# KiCad board for_real_486_2.kicad_pcb (continued)
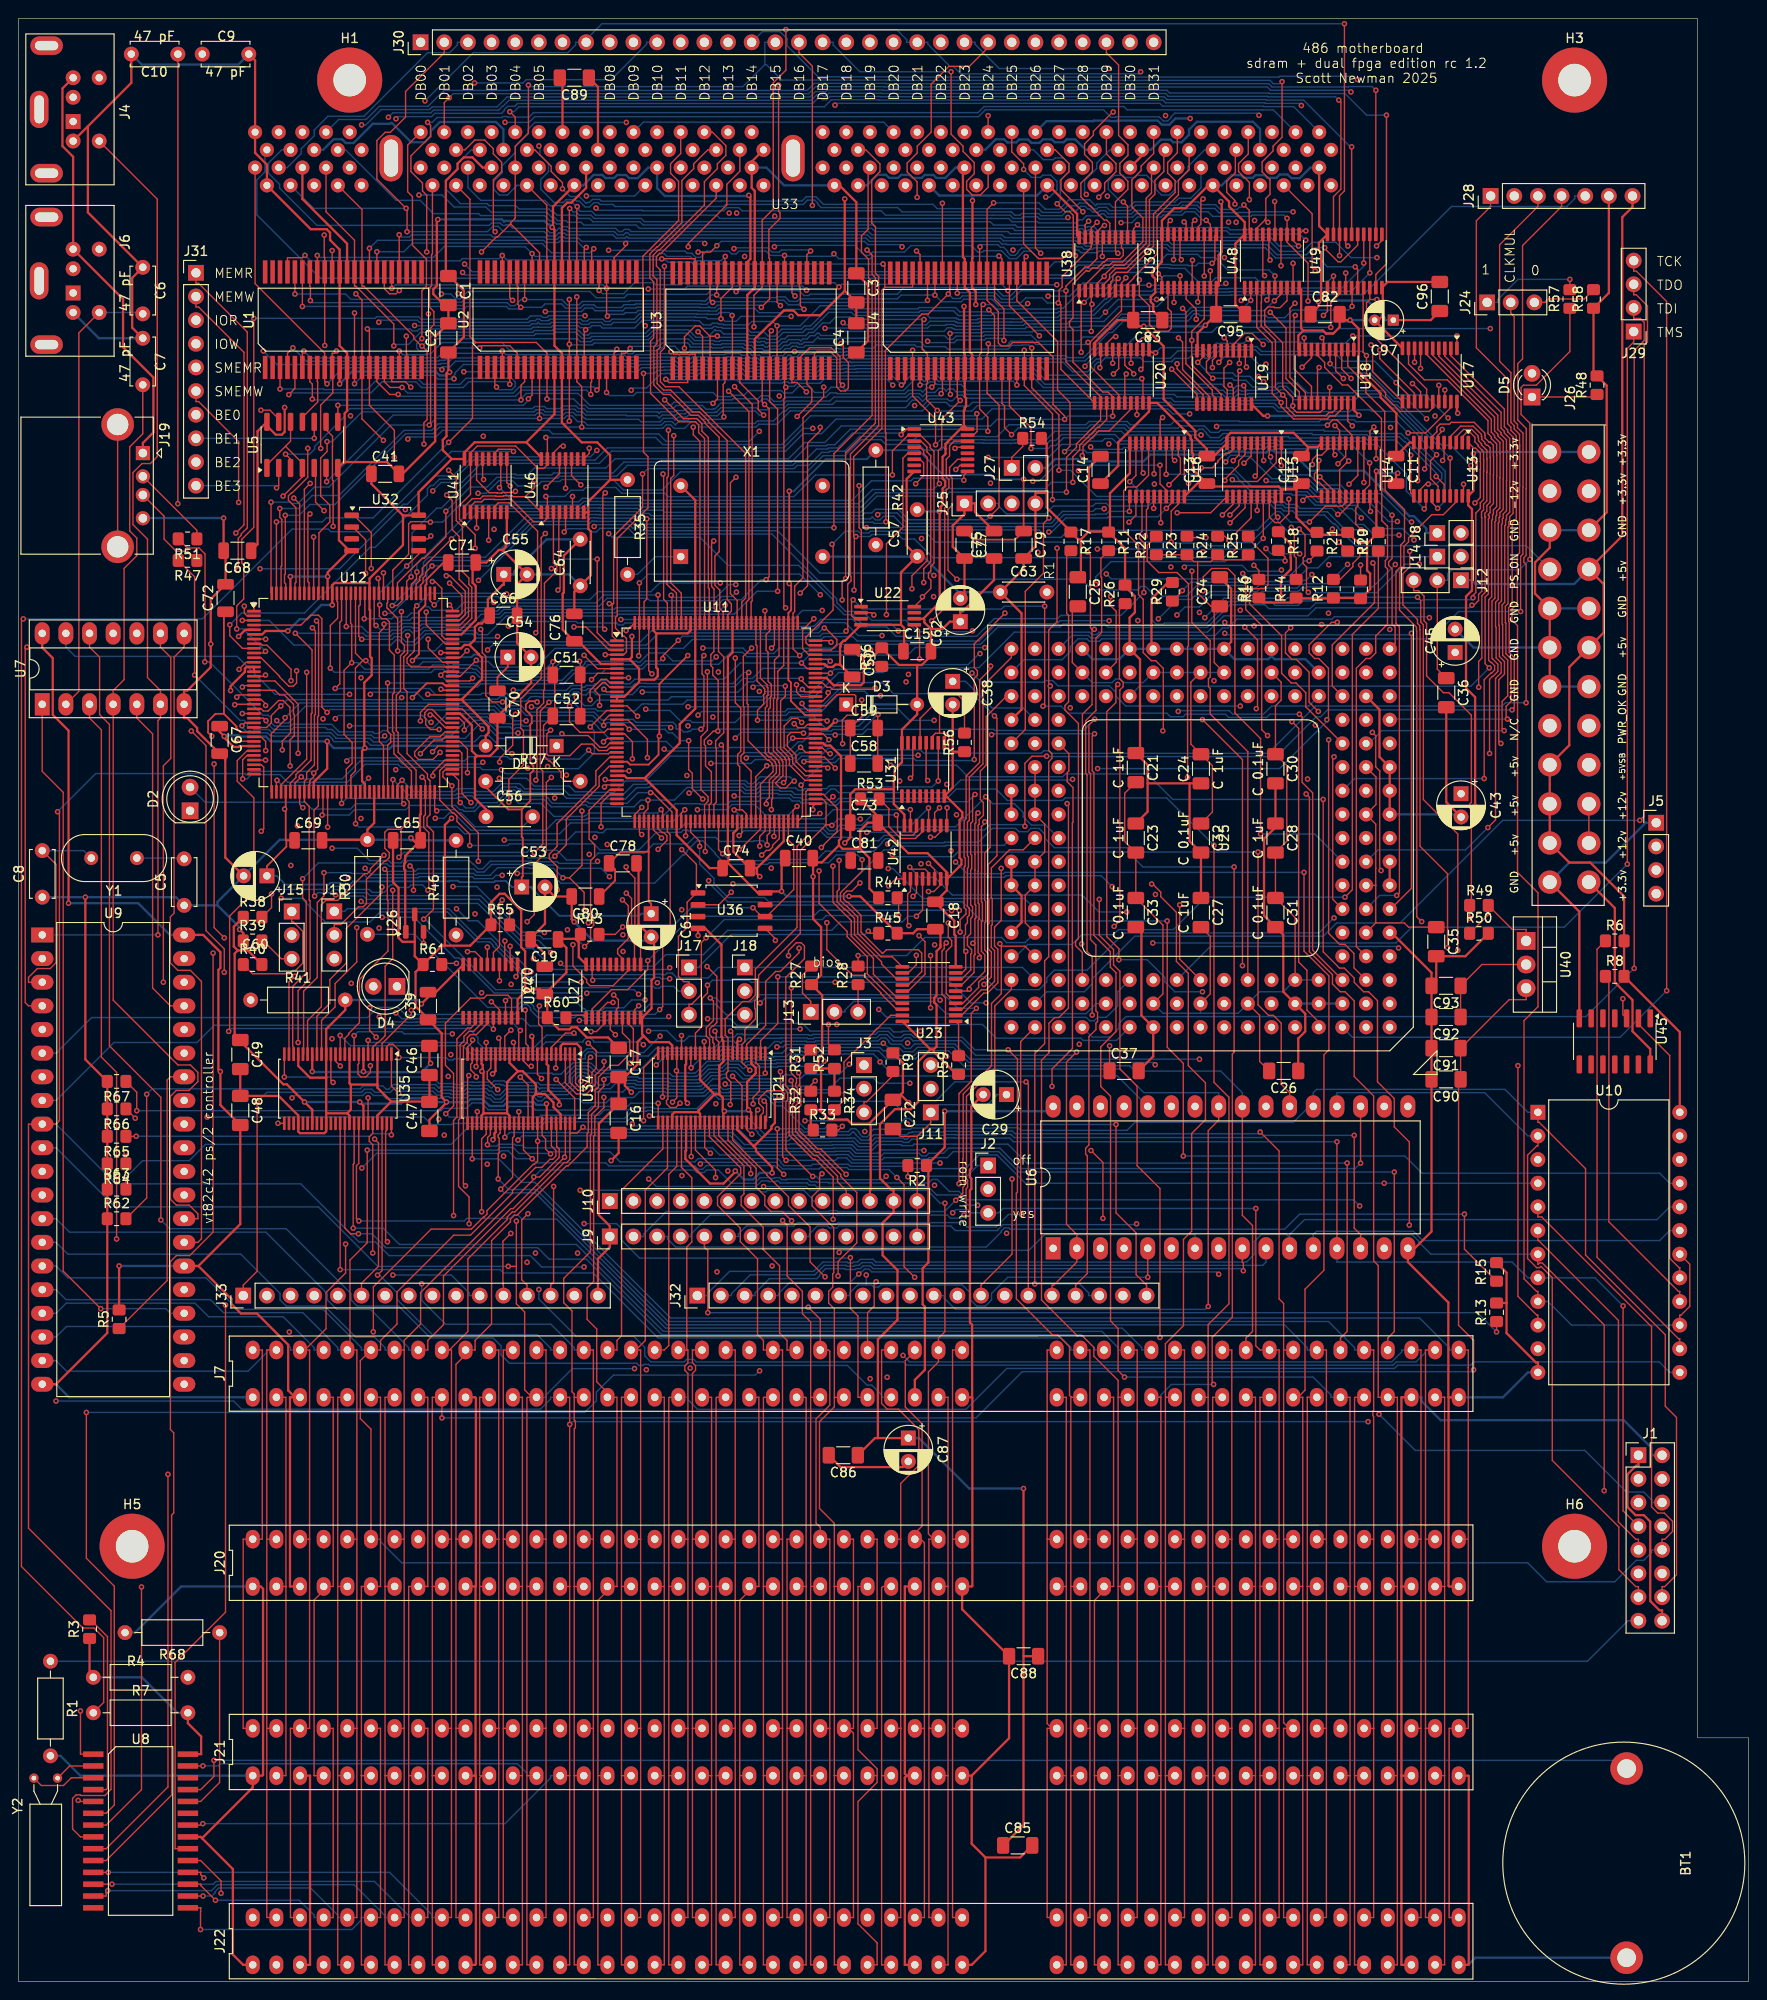
[diagram p0: board, top side]
## Routing (per net, layer and track width the routed paths; a pad name or vN(x,y) marks a point on that pad's centre or on a via; arc(x,y) is an arc through that point) (continued)
AB18: length 356.5
  Top w0.15: v1(53.05,180.56) 52.75,180.86 52.75,183.62 ; 73.47,185.74 74.31,185.74 v1(75,186.43) ; 73.47,185.74 U3.40 ; 73.47,185.74 v1(72.99,185.74) ; U11.94 86.72,137 87.92,138.21 89.78,138.21 89.92,138.06 89.92,136.22 89.71,136 88.99,136 88.48,135.49 88.48,132.97 v1(88.51,132.94) ; v1(96.45,185.86) 96.83,185.49 96.83,183.48 ; 110.65,139.14 110.65,132.19 110.99,131.84 110.99,131.36 110.65,131.01 110.65,110.06 110.21,109.63 110.21,100.73 109.15,99.67 v1(109.15,74.92) ; 110.65,139.14 v1(110.82,139.14) ; 110.65,139.14 110.65,145.15 111.54,146.04 v1(111.54,153.94) ; v1(40.18,117.2) 40.18,109.85 39.37,109.04 39.37,101.57 38.64,100.84 38.55,100.84 38.04,100.34 U35.5 ; U15.16 v1(133.04,158) ; 29.68,183.62 v1(29.68,181.24)
  In1.Cu w0.15: v1(88.51,132.94) 94.01,132.94 99.58,138.51 102.73,138.51 103.36,139.14 v1(110.82,139.14) ; 119.95,159.15 119.95,161.38 119.67,161.67 119.26,161.67 116.18,164.75 116.18,164.77 104.79,176.16 104.79,179.78 98.71,185.86 v1(96.45,185.86) 95.35,185.86 v1(94.89,186.32) ; 119.95,159.15 116.75,159.15 v1(111.54,153.94) ; 119.95,159.15 124.59,159.15 125.3,158.44 130.9,158.44 131.12,158.22 132.81,158.22 v1(133.04,158) ; v1(72.99,185.74) 67.31,180.07 56.96,180.07 55.79,181.23 53.73,181.23 v1(53.05,180.56) ; v1(40.18,117.2) 40.18,121.49 v1(36.77,124.91)
  In2.Cu w0.15: v1(29.68,181.24) 29.68,178.18 30.05,177.81 30.05,160.36 30.54,159.87 30.54,158.25 30.16,157.87 30.16,156.43 30.74,155.84 30.74,149.55 33.06,147.24 33.06,142.91 36.13,139.84 36.13,125.55 v1(36.77,124.91)
  Bottom w0.15: v1(94.89,186.32) 94.67,186.54 91.22,186.54 90.87,186.89 75.46,186.89 v1(75,186.43) ; J32.18 114.95,73.66 114.95,73.94 113.98,74.92 v1(109.15,74.92) ; v1(53.05,180.56) 52.95,180.67 47.89,180.67 47.58,180.36 46.81,180.36 46.5,180.67 35.69,180.67 35.12,181.24 v1(29.68,181.24)
AB19: length 339.6
  Top w0.15: 93.04,181.96 96.02,181.96 U4.41 ; 93.04,181.96 92.73,181.65 92.73,166.8 89.7,163.77 89.7,155.25 89.76,155.19 ; 93.04,181.96 93.04,184.28 v1(92.86,184.46) ; v1(30.76,185.39) 30.51,185.14 28.88,185.14 28.88,183.62 ; v1(69.08,185.02) 69.11,185.04 72.67,185.04 U3.41 ; U15.15 132.39,157.21 130.82,155.65 130.82,153.96 v1(130.13,153.26) ; 89.76,155.19 v1(89.94,155.19) ; 89.76,155.19 89.76,149.47 v1(89.73,149.44) ; U11.95 86.35,137.5 86.96,138.11 v1(86.96,138.43) ; v1(104.82,135.93) 105.08,135.66 105.08,120.9 104.13,119.95 104.13,118.78 104.12,118.77 104.12,116.26 104.22,116.15 104.22,113.64 104.12,113.54 104.12,110.92 104.48,110.56 104.48,107.87 v1(103.69,107.08) ; v1(51.95,185.38) 51.95,185.38 51.95,183.62 ; v1(116.47,81.96) 116.47,87.96 v1(115.19,89.24) ; U35.6 v1(37.54,101.08)
  In1.Cu w0.15: v1(98.98,105.39) 99.11,105.52 102.13,105.52 v1(103.69,107.08) ; v1(67.11,100.61) 69.55,103.06 70.07,103.06 70.41,103.4 70.41,103.91 71.5,105.01 79.58,105.01 v1(79.65,105.09)
  In2.Cu w0.15: J32.19 118.62,74.79 117.49,75.91 117.49,80.94 v1(116.47,81.96) ; v1(115.19,89.24) 112.39,92.04 112.39,96.27 107.86,100.8 107.86,102.75 106.98,103.63 106.43,103.63 103.69,106.37 v1(103.69,107.08) ; v1(86.96,138.43) 86.6,138.78 86.6,144 89.06,146.46 89.06,148.77 v1(89.73,149.44)
  Bottom w0.15: v1(98.98,105.39) 98.75,105.63 80.19,105.63 v1(79.65,105.09) ; 69.08,184.9 v1(69.08,185.02) ; 69.08,184.9 52.43,184.9 v1(51.95,185.38) 51.61,185.04 47.66,185.04 47.43,184.8 31.35,184.8 v1(30.76,185.39) ; 69.08,184.9 69.49,184.9 69.74,184.66 72.26,184.66 72.46,184.46 v1(92.86,184.46) ; v1(37.54,101.08) 37.77,100.84 48.16,100.84 49.1,99.9 55.64,99.9 56.63,100.9 60.61,100.9 60.61,101 60.95,101.34 61.43,101.34 61.77,101 61.77,100.9 66.82,100.9 v1(67.11,100.61) ; v1(130.13,153.26) 129.82,153.26 129.48,152.92 98.22,152.92 96.22,154.92 94.96,154.92 94.48,155.4 91.64,155.4 91.43,155.19 v1(89.94,155.19) ; v1(104.82,135.93) 102.43,138.32 93.96,138.32 92.78,139.5 88.03,139.5 v1(86.96,138.43)
AB20: length 225
  Top w0.15: v1(83.56,139.27) 83.56,138.49 84.04,138 U11.96 ; v1(37.79,98.36) 37.79,97.64 37.3,97.15 36.76,97.15 36.45,97.47 36.45,98.49 36.54,98.58 U35.8 ; v1(130.12,156.67) 131.74,158.29 U15.14 ; v1(117.88,92.04) 117.88,82.55 120.03,80.39 120.03,75.91 121.16,74.79 J32.20
  In1.Cu w0.15: v1(130.12,156.67) 129.45,156 126.82,156 126.78,155.96 124.35,155.96 122.05,153.66 120.63,153.66 113.4,146.43 107.22,146.43 105.75,144.96 104.42,144.96 102.37,142.91 98.46,142.91 95.93,140.38 v1(95.58,140.38) 88.02,140.38 87.17,139.53 85.81,139.53 84.43,138.15 83.98,138.15 83.56,138.58 v1(83.56,139.27)
  In2.Cu w0.15: v1(40.53,104.03) 40.53,101.45 37.79,98.72 v1(37.79,98.36) ; 84.48,101.77 v1(83.95,102.3) ; 84.48,101.77 84.82,101.77 86.4,103.35 86.4,107.53 88.93,110.05 88.93,111.33 89.93,112.33 89.93,112.83 94.63,117.53 94.63,120.32 95.21,120.9 95.21,138.88 94.75,139.34 94.75,139.82 95.32,140.38 v1(95.58,140.38) ; 84.48,101.77 84.48,92.46 v1(84.46,92.44)
  Bottom w0.15: v1(117.88,92.04) 104.64,92.04 104.6,91.99 101.08,91.99 101.07,92.01 96.36,92.01 95.69,92.68 95.21,92.68 94.68,92.15 89.38,92.15 89.1,92.44 v1(84.46,92.44) ; v1(83.95,102.3) 77.04,102.3 76.71,102.63 71.52,102.63 71.51,102.63 54.91,102.63 54.13,103.41 42.59,103.41 42.56,103.38 41.79,103.38 41.76,103.41 41.14,103.41 v1(40.53,104.03)
AB21: length 137.9
  Top w0.15: U11.97 84.45,138.5 v1(84.18,138.77) ; v1(130.11,157.51) 131.09,158.49 U15.13 ; U35.9 36.04,101.59 v1(36.04,101.59)
  In1.Cu w0.15: v1(84.18,138.77) 86.65,141.23 87.42,141.23 90.17,143.98 102.44,143.98 104.49,146.03 106.32,146.03 107.07,146.78 113.26,146.78 120.48,154.01 121.9,154.01 124.24,156.35 128.95,156.35 v1(130.11,157.51)
  In2.Cu w0.15: v1(59.89,137.91) 59.78,137.81 59.78,137.7 60.1,137.38 60.1,136.61 59.56,136.07 59.46,136.07 58.93,135.54 58.93,131.78 57.06,129.91 57,129.91 56.65,129.56 56.65,129.08 56.65,129.08 56.65,128.22 56.3,127.87 56.3,124.18 49.6,117.48 49.6,114.42 49.25,114.08 49.25,106.53 46.59,103.86 v1(46.59,101.77)
  Bottom w0.15: v1(46.59,101.77) 41.41,101.77 41.19,102 36.45,102 v1(36.04,101.59) ; v1(59.89,137.91) 60.77,137.03 61.56,137.03 62.17,137.63 69.76,137.63 70.11,137.98 79.8,137.98 80.14,138.32 80.14,138.43 80.25,138.54 83.96,138.54 v1(84.18,138.77)
AB22: length 147.9
  Top w0.15: U15.12 130.44,158.65 v1(129.3,157.51) ; U35.11 35.04,101.29 35.46,101.71 35.46,101.83 36.6,102.97 36.6,107.6 39.67,110.67 39.67,116.12 39.61,116.18 39.61,119.18 v1(39.33,119.46) ; U11.98 84.83,139 84.06,139.77 v1(84.06,139.9)
  In1.Cu w0.15: v1(129.3,157.51) 128.95,157.16 123.71,157.16 123.23,157.64 121.37,157.64 121.04,157.31 121.04,157.19 117.57,153.72 117.08,153.72 116.16,152.81 114.63,152.81 113.53,151.71 106.64,151.71 106.12,151.19 100.54,151.19 100.19,150.83 98.94,150.83 98.55,150.43 98.07,150.43 97.67,150.83 94.02,150.83 93.75,150.56 90.04,150.56 89.22,149.74 89,149.74 86.89,147.63 86.89,146.53 83.31,142.94 83.31,140.66 v1(84.06,139.9)
  In2.Cu w0.15: v1(66.99,138.5) 64.28,135.79 64.28,128.56 64.21,128.49 64.21,127.76 63.86,127.41 63.86,122.89 64.24,122.5 64.24,121.73 63.46,120.95 63.46,118.66 v1(63.46,118.66)
  Bottom w0.15: v1(39.33,119.46) 39.55,119.23 42.61,119.23 42.87,119.49 48.88,119.49 49.22,119.15 49.99,119.15 50.81,119.97 54.94,119.97 55.01,119.91 57.72,119.91 58.07,119.56 62.57,119.56 v1(63.46,118.66) ; v1(66.99,138.5) 66.99,138.47 77.25,138.47 78.37,139.59 78.97,139.59 79.34,139.96 84,139.96 v1(84.06,139.9)
AB23: length 151.3
  Top w0.15: U35.12 v1(34.54,101.61) ; U15.11 128.04,157.74 v1(124.45,157.74) ; v1(92,138.93) 91.85,138.78 87.42,138.78 87.2,139 86.83,139 86.33,139.5 U11.99
  In1.Cu w0.15: v1(92,138.93) 95.49,138.93 98.38,141.81 103.28,141.81 107.51,146.04 115.58,146.04 121.46,151.92 v1(123.77,151.92)
  In2.Cu w0.15: v1(123.77,151.92) 124.45,152.6 v1(124.45,157.74) ; v1(68.9,101.53) 68.9,103.52 69.46,104.08 69.46,107.32 69.3,107.48 69.3,107.96 69.52,108.18 69.52,108.48 69.36,108.64 69.36,109.12 69.52,109.27 69.52,110.03 69.87,110.38 69.87,112.98 70.3,113.4 70.3,127.82 71.2,128.72 71.2,129.76 71.54,130.1 71.68,130.1 72.71,131.13 72.71,135.74 v1(72.98,136.01)
  Bottom w0.15: v1(34.54,101.61) 35.66,100.49 47.71,100.49 48.65,99.55 60.5,99.55 60.5,99.64 61.04,100.19 61.81,100.19 62.25,99.75 67.13,99.75 v1(68.9,101.53) ; v1(72.98,136.01) 73.36,136.39 79.75,136.39 79.76,136.38 82.31,136.38 82.61,136.69 85.75,136.69 85.79,136.73 86.07,136.73 88.27,138.93 v1(92,138.93)
AB24: length 139.9
  Top w0.15: v1(123.29,158.22) 123.92,158.85 U16.18 ; v1(34.56,98.32) 34.04,98.84 U35.13 ; v1(87.21,140.52) 87.19,140.5 U11.101 ; v1(56.96,137.38) 56.03,136.45 56.03,130.27 56.3,130 56.3,122.17 v1(55.39,121.25)
  In1.Cu w0.15: v1(34.56,98.32) 36.13,99.89 45.1,99.89 45.22,99.77 46.51,99.77 46.51,99.75 46.42,99.66 v1(46.42,99.55)
  In2.Cu w0.15: v1(46.42,99.55) 46.42,100.09 50.2,103.87 50.2,105.47 50.59,105.85 50.59,110.41 51.3,111.12 51.3,114.67 52.52,115.9 52.52,118.85 54.92,121.25 v1(55.39,121.25) ; v1(103.27,142.61) 103.95,142.61 107.6,146.26 107.6,152.62 v1(110.66,155.68)
  Bottom w0.15: v1(103.27,142.61) 103.18,142.61 102,141.43 92.3,141.43 91.8,140.94 87.63,140.94 v1(87.21,140.52) 84.88,138.19 80.51,138.19 80.49,138.17 79.95,137.63 71.81,137.63 71.37,137.19 67.63,137.19 67.6,137.22 67.12,137.22 67.09,137.19 66.94,137.19 66.21,136.46 62.18,136.46 61.97,136.68 60.31,136.68 59.41,137.57 57.16,137.57 v1(56.96,137.38) ; v1(123.29,158.22) 122.38,157.31 117.05,157.31 116.92,157.19 112.49,157.19 110.98,155.68 v1(110.66,155.68)
AB25: length 147
  Top w0.15: v1(84.09,141.61) 84.69,141 U11.102 ; v1(33.78,96.56) 33.54,96.8 U35.14 ; U16.17 123.27,160.18 122.6,160.84 v1(122.6,162.85)
  In2.Cu w0.15: v1(33.78,96.56) 34.36,96.56 39.67,101.87 39.67,104 40.4,104.73 40.69,104.73 41.84,105.88 41.84,117.44 45.5,121.1 45.5,128.2 48.8,131.5 48.8,134.7 51.4,137.3 51.4,137.67 51.74,138.01 52.44,138.01 v1(53.13,138.71) ; v1(108.94,161.13) 107.95,160.15 107.95,158.12 103.78,153.95 v1(103.78,143.26)
  Bottom w0.15: v1(103.78,143.26) 96.32,143.26 95.52,142.46 84.95,142.46 v1(84.09,141.61) 77.5,141.61 75.77,139.87 66.17,139.87 65.68,139.38 63.59,139.38 63.25,139.72 62.47,139.72 62.13,139.38 61.91,139.38 61.72,139.19 60.97,139.19 60.8,139.01 60.6,139.01 60.42,139.19 59.36,139.19 58.83,138.66 56.27,138.66 56.23,138.71 v1(53.13,138.71) ; v1(108.94,161.13) 109.64,161.13 111.4,162.89 113.79,162.89 113.82,162.85 v1(122.6,162.85)
AB26: length 140.3
  Top w0.15: v1(122.68,156.67) 122.68,159.42 U16.16 ; v1(36.32,113.19) 36.32,109.49 33.99,107.16 33.99,104.67 32.54,103.21 U35.16 ; v1(87.18,141.8) 86.98,142 U11.104
  In1.Cu w0.15: v1(122.68,156.67) 121.51,156.67 116.95,152.1 116.45,152.1 115.35,151.01 109.17,151.01 105.32,147.15 98.06,147.15 96.54,145.63 91.01,145.63 v1(87.18,141.8)
  In2.Cu w0.15: v1(37.78,138.24) 38.13,137.89 38.13,131.93 37.78,131.58 37.78,129.86 38.16,129.48 38.16,125.34 36.04,123.22 36.04,119.23 36.2,119.06 36.2,113.31 v1(36.32,113.19)
  Bottom w0.15: v1(87.18,141.8) 86.41,141.03 79.91,141.03 78.82,139.94 77.81,139.94 76.92,139.05 67.26,139.05 67.23,139.07 66.75,139.07 66.41,138.74 66.41,138.71 65.92,138.21 62.01,138.21 61.74,138.49 61.26,138.49 60.96,138.19 60.43,138.19 60.13,138.49 59.65,138.49 59.12,137.96 55.98,137.96 55.93,138 55.02,138 54.53,137.51 52.75,137.51 52.42,137.84 52.39,137.84 52.22,138.01 51.74,138.01 51.45,137.71 49.64,137.71 49.59,137.67 43.51,137.67 42.71,138.47 38.01,138.47 v1(37.78,138.24)
AB27: length 137
  Top w0.15: v1(121.92,158.22) 121.92,159.45 U16.15 ; v1(39.03,117.55) 39.03,116.93 35.2,113.1 35.2,109.38 33.43,107.6 33.43,105.06 32.04,103.67 U35.17 ; v1(85.42,146.36) 84.21,145.16 84.21,143.15 84.85,142.5 U11.105
  In1.Cu w0.15: v1(85.42,146.36) 85.74,146.69 85.74,147.49 86.08,147.82 86.57,147.82 88.84,150.09 89.07,150.09 89.41,150.43 89.41,150.55 89.77,150.91 93.61,150.91 93.96,151.26 97.74,151.26 98.07,151.59 98.55,151.59 98.87,151.26 100.12,151.26 100.4,151.54 105.79,151.54 106.32,152.06 112.5,152.06 116.59,156.16 119.51,156.16 119.85,156.5 119.85,156.74 121.32,158.22 v1(121.92,158.22)
  In2.Cu w0.15: v1(39.03,117.55) 39.03,117.61 43.73,122.31 43.73,127.42 46.3,129.98 46.3,133.44 47.3,134.44 47.3,134.64 47.64,134.98 47.72,134.98 50.95,138.21 50.95,143.14 52.61,144.81 v1(52.61,145.57)
  Bottom w0.15: v1(52.61,145.57) 53.1,146.06 59.88,146.06 60.05,145.9 64.25,145.9 64.45,145.7 64.93,145.7 65.12,145.9 84.95,145.9 v1(85.42,146.36)
AB28: length 143.9
  Top w0.15: v1(121,155.23) 121.14,155.37 121.14,158.05 121.32,158.23 U16.14 ; U35.19 31.04,103.21 32.52,104.69 32.52,115.64 33,116.11 34.28,116.11 37.14,118.98 37.46,118.98 37.8,119.31 37.8,119.52 v1(39.24,120.96) ; v1(86.55,145.36) 86.65,145.36 87.89,144.12 87.89,143.61 87.28,143 U11.106
  In1.Cu w0.15: v1(121,155.23) 122.08,155.23 123.26,156.42 123.26,156.94 122.91,157.29 121.63,157.29 116.8,152.45 116.3,152.45 115.21,151.36 108.2,151.36 107.23,150.39 101.38,150.39 99.98,149 99.36,149 96.34,145.98 87.16,145.98 v1(86.55,145.36)
  In2.Cu w0.15: v1(50.37,143.01) 50.37,138.22 45.89,133.73 45.89,130.07 39.58,123.77 39.58,121.31 v1(39.24,120.96)
  Bottom w0.15: v1(86.55,145.36) 86.46,145.36 85.93,144.84 68.74,144.84 67.44,143.53 50.9,143.53 v1(50.37,143.01)
AB29: length 142.6
  Top w0.15: v1(32.8,119.09) 32.8,116.6 32.08,115.88 32.08,107.83 30.61,106.36 30.61,99.67 U35.20 ; U11.144 65.36,145.09 v1(65.25,145.09) ; U16.13 120.67,155.74 120.39,155.47 120.39,154.99 120.87,154.51 v1(120.87,149.18)
  In2.Cu w0.15: v1(51.95,118.8) 56.65,123.51 56.65,127.72 57.8,128.87 57.8,129.9 59.3,131.4 59.3,135.31 60.45,136.47 60.45,137.53 60.42,137.57 60.42,137.63 65.25,142.46 v1(65.25,145.09)
  Bottom w0.15: v1(51.95,118.8) 51.28,118.8 50.93,118.45 48.93,118.45 48.73,118.65 43.03,118.65 42.9,118.53 37.43,118.53 36.95,119 35.77,119 35.68,119.09 v1(32.8,119.09) ; v1(65.25,145.09) 65.7,145.55 85.41,145.55 86.16,146.29 89.6,146.29 90.41,145.48 93.23,145.48 94.24,144.48 102.9,144.48 104.8,146.37 111.59,146.37 111.95,146.73 118.42,146.73 v1(120.87,149.18)
AB30: length 145.4
  Top w0.15: v1(30.5,118.44) 30.5,116.38 30.89,116 30.89,108.32 29.44,106.88 29.44,100.43 29.54,100.33 U35.22 ; v1(119.27,156.73) 120.02,157.48 U16.12 ; v1(66.6,142.38) 66.68,142.46 U11.143 v1(66.68,150.21)
  In1.Cu w0.15: v1(86.11,148.94) 86.29,148.94 88.61,151.26 93.46,151.26 93.81,151.62 97.6,151.62 97.92,151.94 100.3,151.94 100.78,152.41 111.97,152.41 116.29,156.73 v1(119.27,156.73)
  In2.Cu w0.15: v1(62.18,120.31) 62.22,120.35 62.22,121.93 63.16,122.86 63.16,127.7 63.17,127.71 63.51,128.05 63.51,128.74 63.49,128.76 63.58,128.85 63.58,139.36 v1(66.6,142.38)
  Bottom w0.15: v1(86.11,148.94) 83.9,151.15 67.63,151.15 v1(66.68,150.21) ; v1(62.18,120.31) 61.96,120.08 58.04,120.08 57.86,120.26 55.15,120.26 55.09,120.32 50.66,120.32 49.85,119.51 49.37,119.51 48.85,120.02 48.79,120.02 48.42,120.39 41.8,120.39 41.46,120.05 41.46,119.92 41.33,119.79 39.82,119.79 39.57,120.03 38.83,120.03 38.82,120.04 37.55,120.04 37.46,120.13 32.19,120.13 v1(30.5,118.44)
AB31: length 157.4
  Top w0.15: U35.23 29.04,107.34 v1(29.65,107.96) ; U11.142 67.18,148.18 67.47,148.47 v1(67.47,157.09) ; v1(119.32,157.89) 119.32,159.44 U16.11
  In1.Cu w0.15: v1(29.65,107.96) 32.82,111.12 34.26,111.12 35.11,111.97 35.11,112.8 36.09,113.79 38.06,113.79 v1(38.72,113.13)
  In2.Cu w0.15: v1(39.34,146.94) 39.34,146.55 39.88,146.01 39.88,142.01 38.49,140.62 38.49,131.79 38.45,131.75 38.45,129.69 38.52,129.62 38.52,125.1 37.11,123.7 37.02,123.7 36.39,123.07 36.39,121.2 37.8,119.79 37.8,118.13 37.75,118.08 37.75,114.1 v1(38.72,113.13)
  Bottom w0.15: v1(39.34,146.94) 40.11,146.94 43.84,150.66 43.84,152.28 44.18,152.61 50.52,152.61 55.07,157.16 60.9,157.16 61.29,157.55 62.05,157.55 62.35,157.55 62.38,157.51 66.21,157.51 66.56,157.16 67.4,157.16 v1(67.47,157.09) 67.48,157.08 91.47,157.08 91.67,157.27 91.73,157.27 92.03,156.97 92.51,156.97 92.91,157.37 94,157.37 95.12,156.26 111.06,156.26 111.61,156.8 111.61,156.87 112.27,157.54 115.64,157.54 115.7,157.6 116.84,157.6 117.13,157.89 v1(119.32,157.89)
ADS: length 126.2
  Top w0.15: U25.S17 106.63,142.19 103.58,139.14 103.58,130.77 102.12,129.32 102.12,124.74 101.91,124.53 101.91,120.91 102.02,120.8 102.02,119.66 101.91,119.55 101.91,115.48 102.11,115.28 102.11,114.51 101.91,114.31 101.91,113.69 101.71,113.49 101.71,112.47 101.56,112.32 101.56,110.81 v1(101.73,110.63) 101.73,108.72 101.33,108.32 U23.9
  In1.Cu w0.15: J33.4 31.75,74.79 33.74,74.79 49.43,90.48 49.43,91.05 55.93,97.55 57.28,97.55 57.33,97.5 57.91,97.5 60.61,100.2 60.61,101 60.95,101.34 61.91,101.34 63.77,103.2 63.66,103.3 63.66,103.59 64.85,104.78 64.85,105.67 66.52,107.34 67.02,107.34 70.08,110.4 76.41,110.4 76.75,110.74 76.76,110.74 76.77,110.75 83.24,110.75 83.59,110.39 84.07,110.39 84.46,110.79 98.12,110.79 98.15,110.76 101.61,110.76 v1(101.73,110.63)
ADT_EN: length 144.6
  Top w0.15: U13.19 155.2,159.69 v1(155.2,160.81) ; U15.19 134.99,157.52 v1(135.25,157.26) ; v1(145.21,157.89) 145.15,157.95 U14.19 ; v1(123.8,154.6) 123.8,157.91 124.57,158.68 U16.19 ; U11.107 84.84,143.5 84.57,143.78 84.57,144.38 87.49,147.3 87.49,154.25 v1(87.38,154.36) ; v1(44.64,147.85) 44.19,148.3 U12.110
  In1.Cu w0.15: v1(155.2,160.81) 153.95,159.55 146.88,159.55 v1(145.21,157.89) 145.21,157.37 144.34,156.49 141.62,156.49 v1(141.12,155.99) ; v1(75.37,150.21) 79.51,154.36 v1(87.38,154.36)
  Bottom w0.15: v1(87.38,154.36) 88.79,155.77 90.18,155.77 90.37,155.58 91.31,155.58 91.51,155.77 94.61,155.77 94.82,155.55 97.53,155.55 98.49,154.6 v1(123.8,154.6) 123.9,154.49 127.6,154.49 127.9,154.19 130.24,154.19 130.59,154.54 132.35,154.54 135.08,157.26 v1(135.25,157.26) 135.25,156.81 136.64,155.42 140.55,155.42 v1(141.12,155.99) ; v1(75.37,150.21) 68.86,150.21 67.92,149.27 62.21,149.27 61.36,148.41 51.81,148.41 51.48,148.74 45.54,148.74 v1(44.64,147.85)
AEN: length 156.3
  Top w0.15: 51.57,27.18 51.57,6.86 J22.42 ; 51.57,27.18 51.57,47.5 ; 51.57,27.18 J21.42 ; 51.57,47.5 51.57,67.82 J7.42 ; 51.57,47.5 J20.42 ; U42.4 97.09,115.05 v1(96.44,114.4)
  In1.Cu w0.15: v1(55.51,78.22) 54.78,78.22 53.54,76.98 53.54,76.31 53.34,76.12 53.34,70.61 51.57,68.84 51.57,67.82 J7.42
  In2.Cu w0.15: v1(55.51,78.22) 56.35,79.06 56.35,90.74 55.59,91.5 55.59,97.5 57.57,99.49 57.57,100.69 57.67,100.79 57.67,102.67 57.9,102.9 57.9,109.03 v1(58.21,109.35)
  Bottom w0.15: v1(96.44,114.4) 95.54,114.4 94.94,113.8 88.24,113.8 87.34,112.9 76.17,112.9 73.55,110.28 69.52,110.28 68.28,109.04 58.52,109.04 v1(58.21,109.35)
AHOLD: length 35.8
  In1.Cu w0.15: J10.7 79.87,83.82 79.87,84.05 81.93,86.11 83.6,86.11 89.59,92.11 92.51,92.11 97.44,97.03 101.18,97.03 U25.A17
AP_INC: length 78.9
  Top w0.15: v1(95.79,125.86) 95.8,125.85 U42.15 ; 77.45,125.83 77.45,130.47 77.23,130.7 77.23,131.78 77.56,132.11 77.56,136.76 76.98,137.35 v1(76.98,142.14) ; 77.45,125.83 76.86,125.83 v1(76.86,125.83) ; 77.45,125.83 77.73,125.83 78.18,125.39 U11.61 ; v1(100.57,164.66) 100.7,164.79 U43.13
  In1.Cu w0.15: v1(96.98,154.98) 96.18,154.98 93.17,151.97 87.82,151.97 84.88,149.03 84.88,148.73 84.34,148.18 84.34,148.18 81.99,145.83 81.63,145.83 79.31,143.51 79.31,142.97 78.97,142.63 77.47,142.63 v1(76.98,142.14)
  In2.Cu w0.15: v1(96.98,154.98) 97.95,155.94 97.95,162.03 v1(100.57,164.66)
  Bottom w0.15: v1(76.86,125.83) 77.83,124.87 86.52,124.87 87.51,125.86 v1(95.79,125.86)
BA0: length 107.3
  Top w0.15: U12.39 28.19,128.52 30.94,131.27 v1(30.94,140.61) ; U33.122 77.47,194.42 76.08,193.03 76.08,190.81 71.93,186.67 v1(71.93,186.32)
  In2.Cu w0.15: v1(30.94,140.61) 25.93,145.62 v1(25.93,151.73) ; v1(62.11,164.45) 62.11,168.51 66.26,172.67 66.26,174.01 70.01,177.76 70.01,184.4 v1(71.93,186.32)
  Bottom w0.15: v1(25.93,151.73) 34.48,151.73 40.97,158.21 40.97,158.32 41.3,158.66 41.74,158.66 44.79,161.71 46.66,161.71 48.7,163.75 61.41,163.75 v1(62.11,164.45)
BA1: length 113.6
  Top w0.15: v1(29.72,144.8) 31.52,143.01 31.52,136.24 31.42,136.14 31.42,131.17 30.2,129.96 30.12,129.96 29.79,129.62 29.79,129.3 29.19,128.71 U12.41
  In2.Cu w0.15: v1(75.89,147.82) 75.96,147.9 75.96,159.65 78.22,161.91 78.22,176.62 78.06,176.79 78.06,178.1 78.72,178.76 78.72,183.02 79.27,183.57 79.27,192.18 U33.39
  Bottom w0.15: v1(75.89,147.82) 75.27,147.2 64.3,147.2 64.11,147.01 52.24,147.01 51.72,146.49 50.09,146.49 49.04,145.44 43.46,145.44 43.06,145.04 42.52,145.04 42.32,144.84 42.01,145.14 41.54,145.14 41.18,144.78 40.24,144.78 39.96,144.5 37.32,144.5 37.02,144.8 v1(29.72,144.8)
BALE: length 220
  Top w0.15: 92.7,22.1 92.7,42.27 92.84,42.42 J20.28 ; 92.7,22.1 J21.28 ; 92.7,22.1 92.7,1.78 J22.28 ; U7.12 7.61,143.31 8.7,142.23 8.7,136.06 9.76,135.01 9.76,100.48 15.28,94.96 v1(15.28,81.79)
  In2.Cu w0.15: J7.28 92.7,62.74 92.7,42.42 J20.28
  Bottom w0.15: v1(15.28,81.79) 16.22,80.84 28.73,80.84 35.7,73.87 35.7,73.19 36.36,72.53 40.81,72.53 44.23,69.12 50.96,69.12 51.82,68.26 51.82,67.29 52.72,66.4 66.39,66.4 66.63,66.16 67.08,66.16 67.19,66.27 67.67,66.27 67.78,66.16 71.61,66.16 71.9,66.45 72.37,66.45 72.66,66.16 89.02,66.16 91.12,64.05 91.64,64.05 92.7,62.99 92.7,62.74 J7.28
BCLK0: length 93.7
  Top w0.15: v1(110.21,147.71) 110.21,137.15 v1(110.03,136.97) ; U22.3 89.8,146.36 89.47,146.69 89.47,148.22 v1(89.64,148.4) ; v1(137.58,136.11) 137.87,135.82 137.87,128.78 139,127.65 139,110.76 U25.C3
  Bottom w0.15: v1(89.64,148.4) 90.63,147.41 105.57,147.41 105.87,147.71 v1(110.21,147.71) ; v1(110.03,136.97) 111.98,136.97 112.73,136.22 123.33,136.22 123.72,135.83 125.09,135.83 125.37,136.11 129.63,136.11 129.98,135.76 134.05,135.76 134.41,136.11 v1(137.58,136.11)
BCLK1: length 106.6
  Top w0.15: U42.11 98.39,125.53 v1(98.92,126.06) ; 98.92,134.07 98.48,134.07 98.13,133.72 U31.11 ; 98.92,134.07 98.92,136.37 v1(98.65,136.64) ; 98.92,134.07 99.69,134.07 99.91,133.85 99.91,128.78 v1(99.7,128.57) ; U22.8 97.08,148.53 v1(97.08,148.72) 97.99,149.62 97.99,150.52 97.73,150.77 97.73,151.25 97.99,151.51 97.99,152 98.33,152.34 98.33,164.32 97.92,164.73 97.92,165.02 96.85,166.09 U43.2 95.57,166.09 93.86,164.38 v1(93.86,161.81) ; U41.2 48.54,158.43 49.01,158.91 49.73,158.91 50.01,159.19 51.09,159.19 51.12,159.16 52.18,159.16 52.21,159.19 52.91,159.19 55.32,156.78 56.41,156.78 56.8,157.16 U46.2 56.8,159.33 v1(56.63,159.5)
  In2.Cu w0.15: v1(99.7,128.57) 98.92,127.78 v1(98.92,126.06) ; v1(98.65,136.64) 98.65,147.15 v1(97.08,148.72)
  Bottom w0.15: v1(56.63,159.5) 58.68,159.5 59.34,160.16 60.62,160.16 60.92,160.46 64.15,160.46 64.77,159.84 69.39,159.84 69.75,159.48 83.27,159.48 85.6,161.81 v1(93.86,161.81)
BE0: length 143
  Top w0.15: U5.13 27.94,167.82 27,168.76 v1(26.02,168.76) ; v1(105.54,119.55) 105.54,113.96 104.83,113.24 104.83,111.22 105.18,110.86 105.18,107.26 104.08,106.15 103.67,106.15 101.28,103.77 U23.2
  In1.Cu w0.15: U25.K15 110.44,124.08 110.24,124.08 ; 110.24,124.08 108.9,124.08 108.33,124.65 107.85,124.65 107.48,124.28 104.33,124.28 104.02,123.97 95.89,123.97 95.15,124.71 94.04,124.71 93.71,125.04 93.71,125.06 89.53,129.24 87.08,129.24 86.92,129.4 86.52,129.4 85.84,130.08 83.96,130.08 83.65,130.4 83.03,130.4 74.04,139.38 73.45,139.38 72.7,140.13 72.7,140.27 70.82,142.15 70.82,142.75 69.87,143.71 69.69,143.71 61.67,151.73 61.18,151.73 54.57,158.34 54.16,158.34 52.23,160.27 52.23,160.68 44.17,168.74 35.41,168.74 35.15,168.48 26.31,168.48 v1(26.02,168.76) 25.53,168.27 J31.7 ; 110.24,124.08 110.24,122.36 109.65,121.77 106.6,121.77 105.54,120.71 v1(105.54,119.55)
BE1: length 134.6
  Top w0.15: U25.J16 107.9,121.54 106.43,121.54 104.49,119.59 104.49,118.64 104.47,118.62 104.47,116.4 104.58,116.3 104.58,113.49 104.47,113.39 104.47,111.07 104.83,110.71 104.83,107.42 104.27,106.86 104.27,106.84 103.93,106.51 103.42,106.51 101.33,104.42 U23.3 ; U5.10 31.75,165.75 v1(31.76,165.74)
  In1.Cu w0.15: U25.J16 108.54,122.81 107.48,123.87 104.42,123.87 104.16,123.62 94.69,123.62 93.96,124.36 93.9,124.36 93.35,124.9 93.35,124.91 90.29,127.98 89.92,127.98 89.01,128.89 86.93,128.89 86.77,129.05 86.38,129.05 85.85,129.58 84.27,129.58 84.12,129.73 83.82,129.73 83.5,130.05 82.78,130.05 73.79,139.03 73.31,139.03 72.35,139.99 72.35,140.1 70.47,141.98 70.47,142.61 69.72,143.36 69.39,143.36 61.37,151.38 59.06,151.38 44.21,166.23 32.25,166.23 v1(31.76,165.74)
  Bottom w0.15: J31.8 31.75,165.73 v1(31.76,165.74)
BE2: length 144.5
  Top w0.15: U5.5 31.9,162.41 31.9,158.88 v1(32.81,157.97) ; v1(103.88,127.25) 104.36,126.77 104.36,121.8 103.78,121.23 103.78,118.93 103.77,118.92 103.77,116.11 103.87,116.01 103.87,113.78 103.77,113.68 103.77,110.78 104.13,110.42 104.13,108.19 103.6,107.66 103.46,107.66 103.12,107.32 103.12,106.76 101.43,105.07 U23.4
  In1.Cu w0.15: v1(91.11,123.42) 90.85,123.42 89.8,124.47 88.94,124.47 86.77,126.65 83.99,126.65 83.77,126.87 82.75,126.87 79.58,130.04 78.2,130.04 77.23,131.02 77.23,131.89 75.44,133.68 74.9,133.68 73.86,134.72 73.86,134.76 73.19,135.43 72.63,135.43 72.29,135.78 70.68,135.78 68.9,137.57 66.32,137.57 61.32,142.57 61.32,142.67 60.98,143.01 60.53,143.01 53.93,149.61 46.05,149.61 45.87,149.78 44.68,149.78 44.68,149.78 44.2,149.78 43.86,150.12 43.86,151.15 37.04,157.97 v1(32.81,157.97) 32.03,158.75 29.32,158.75 28.98,159.08 28.98,160.08 25.86,163.19 J31.9
  Bottom w0.15: U25.J15 110.32,124.2 108.79,124.2 107.9,125.09 107.9,125.55 106.96,126.5 104.63,126.5 v1(103.88,127.25) 100.65,124.02 97.02,124.02 96.45,123.44 91.13,123.44 v1(91.11,123.42)